# Altium PCB 3-as-manufactured.PcbDoc (part 4 of 16) (continued)
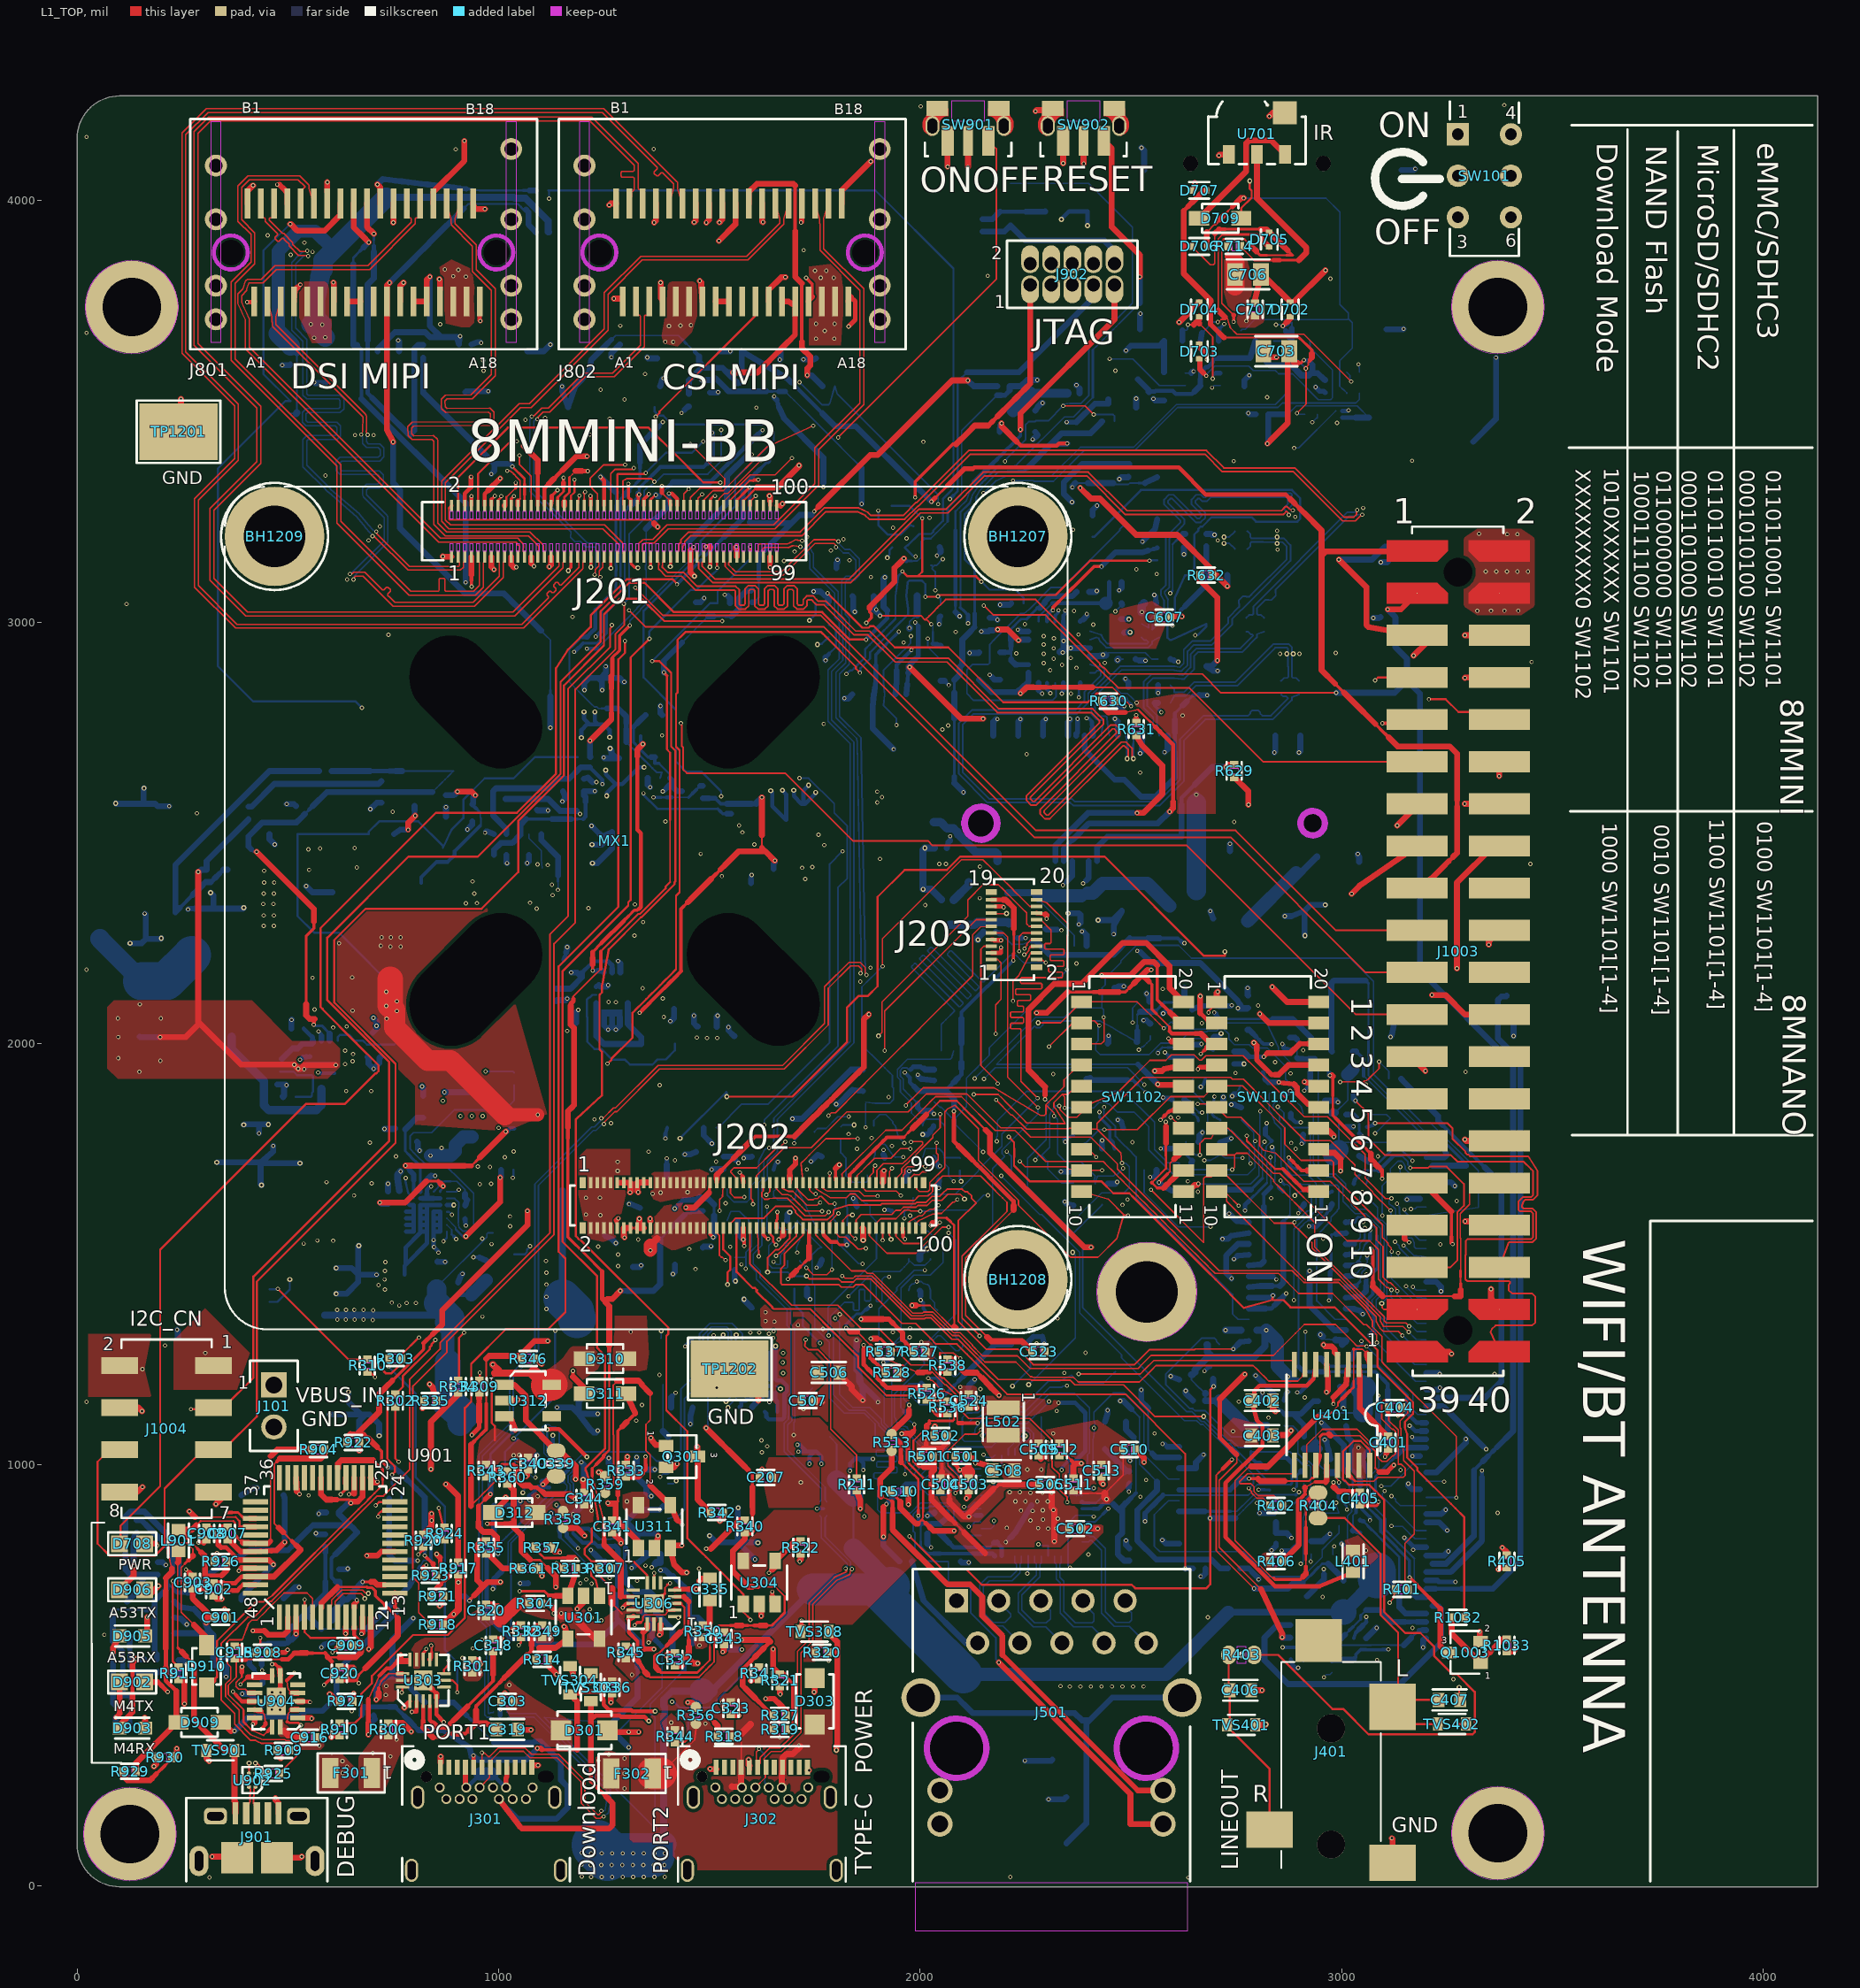
[diagram p0: L1_TOP view]
## Nets (pads, with @x,y where several pads share a name; then routed paths per layer and width w, separated by ;. In a path a pad name is that pad's centre, name@x,y a point inside that pad or via, vN(x,y) a via of type N, cw(c..) or ccw(c..) an arc to the next point about the centre after c; other vN are vias at no path point) (continued)
  L3_INT w4.85: 1127.24,3381.85 1141.85,3381.85 ; 1171.07,3381.85 1229.51,3381.85 ; 1566.76,3364.98 1576.41,3355.32
  L3_INT w5.87: 1141.85,3381.85 1171.07,3381.85
  L3_INT w8.94: 1030.55,3344.68 1045.43,3344.68 ; 1674.38,3316.71 1684.93,3306.16 1695.49,3295.61 ; 1737.14,3252.82 1747.13,3242.84 1748.26,3242.84
  L3_INT w9.96: v1(1003.26,3341.08) 1015.1,3341.08 ; 1557.11,3374.63 1566.76,3364.98 ; 1748.26,3242.84 1758.81,3232.28
  L3_INT w10.99: 1045.43,3344.68 1060.31,3344.68
  L3_INT w12.01: 1695.49,3295.61 1706.04,3285.05 1706.04,3283.92 1737.14,3252.82 ; 1758.82,3232.28 1769.37,3221.72
  L3_INT w14.05: 1015.1,3341.08 1026.94,3341.08 1030.55,3344.68 ; 1060.31,3344.68 1090.07,3344.68 1127.24,3381.85 ; 1615.02,3316.71 1674.38,3316.71 ; 2225.59,2627.91 2478.77,2374.72 3031.88,2374.72 3214.42,2192.19 v1(3214.42,2115.14)
EN_SNK1: R342.1 U303.2 | length 1026.6
  L1_TOP w9.96: v1(793.47,413.73) 793.66,413.91 805.02,413.91 U303.2@805.01,439.33
  L1_TOP w14.05: v1(1524.63,867.17) 1531.12,873.66 1531.12,882.46 R342.1@1532.24,886.97
  L6_INT w10.99: 1392.44,727.77 1404.46,734.51 1413.77,739.73
  L6_INT w12.01: v1(793.47,413.73) 807.9,413.73
  L6_INT w14.05: 807.9,413.73 851.2,413.73 923.35,413.73 1004.8,495.18 1093.18,495.18 1125,527 1161.67,527 1259.03,624.36 1259.03,661.03 1298.81,700.81 1344.34,700.81 ; 1344.35,700.82 1356.37,707.56 1368.4,714.29 1380.42,721.03 1392.44,727.77 ; 1413.77,739.73 1423.07,744.94 1462.76,784.63 1498.88,784.63 1524.62,810.37 v1(1524.63,867.17)
EN_SNK2: R335.1 R360.1 U306.2 | length 1090
  L1_TOP w3.5: 1342.09,639.85 1346.04,643.8 1391.23,643.8 1395.71,644.42 U306.2@1401.85,655.41
  L1_TOP w3.83: 1336.47,626.11 1342.09,631.73 1342.09,639.85
  L1_TOP w4.85: 1097.13,774.09 1106.68,764.55 1116.22,755
  L1_TOP w5.87: 1074.81,774.09 1097.13,774.09
  L1_TOP w7.92: v1(1322.26,619.97) 1322.82,619.97 1328.85,626 1336.36,626 1336.47,626.11
  L1_TOP w9.96: v1(972.44,860.06) 1013.58,860.06 ; U306.2@1401.85,655.41 U306.2@1417.4,655.4
  L1_TOP w10.99: 1013.58,860.06 1027.29,860.06
  L1_TOP w14.05: v1(819.07,1134.56) 820.62,1136.11 820.62,1150.64 R335.1@822.58,1152.6 ; R360.1@1019.83,955.22 1020.83,955.22 1035.19,940.85 1035.19,896.51 1035.86,895.84 1035.86,851.49 1046.34,841.01 ; 1027.29,860.06 1046.34,841.01 ; 1074.8,774.09 1054.19,794.7 1054.19,833.16 1046.34,841.01 ; 1116.22,755 1125.77,745.46 1135.31,735.91 v1(1135.31,710)
  L3_INT w6.9: 884.4,968.19 887.98,964.6 887.98,944.51 ; 1161.51,683.8 1259.23,683.8 1269.78,673.25 ; 1280.33,662.7 1280.33,656.76 1288.9,648.18 1290.37,648.18 1290.88,647.67
  L3_INT w7.92: v1(1135.31,710) 1144.05,701.27 ; 1152.78,692.54 1161.51,683.8 ; 1269.78,673.25 1280.33,662.7 ; 1290.88,647.67 1294.55,647.67 v1(1322.26,619.97)
  L3_INT w10.99: 1144.05,701.27 1152.78,692.54
  L3_INT w12.01: 887.98,944.51 898.54,933.95 909.1,923.4 919.65,912.84 v1(972.44,860.06)
  L3_INT w14.05: v1(819.07,1134.56) 884.4,1069.24 884.4,968.19
EN_SRC1: R332.2 U302.G1 | length 1254.7
  L1_TOP w12.01: v1@1028.89,606.13 1036.82,614.05 R332.2@1044.75,621.98
  L1_TOP w14.05: v1(1028.89,605.92) v1@1028.89,606.13 ; R332.2@1044.75,621.98 R332.2@1053,619.51
  L8_BOT w4: v1(1028.89,605.92) 1028.89,813.83 1127.46,912.4 1137.49,918.05 1161.38,918.05 1177.37,934.03 1177.37,955.27 1171.2,961.44 1171.2,971.38 1181.2,981.38 1181.2,1008.43 1203.36,1030.59 1203.9,1030.59 1204.05,1030.74 1213.99,1030.74 1214.14,1030.59 1353.27,1030.59 1375.18,1008.68 1406.15,1008.68 1431.75,1034.29 1431.75,1178.98 1457.36,1204.59 1462.27,1216.68 1467.19,1228.78 1472.1,1240.88 1474.07,1251.08 1476.04,1261.28 1476.04,1310.75 1501.04,1335.76 1553.24,1335.76 1577.64,1311.36 U302.G1@1577.64,1266.24
EN_SRC2: R334.2 U305.G1 | length 382.2
  L1_TOP w5: R334.2@903.71,1200.56 905.39,1205.12 905.39,1301.29 v1(917.77,1313.67)
  L3_INT w5: v1(868.62,1530.6) 868.62,1509.01 890.95,1486.68 890.95,1340.5 v1(917.77,1313.67)
  L8_BOT w5: v1(868.62,1530.6) 876.73,1538.72 U305.G1@876.72,1553.6
ENET_AVDD33: C501.1 C503.1 L501.2 U501.16 | length 875
  L1_TOP w3.5: C501.1@2083.19,1019.34 C501.1@2083.32,1019.79 ; v1@2093.03,985.1 2093.03,987.38 v1(2093.97,988.32) ; C503.1@2114.69,968.13 2114.69,982.21
  L1_TOP w10: 2083.19,1004.23 2091.92,987.26 2093.03,985.1 2095.07,986.13 2114.65,996.05
  L1_TOP w16.55: 2083.19,1004.24 C501.1@2083.19,1019.34 ; 2114.65,982.25 2114.65,996.05
  L1_TOP w31.31: 2114.65,982.25 2114.69,982.21
  L3_INT w17.83: v1(1935,1315) 1935.49,1315 1996.85,1253.63 1996.85,1136.27 2000.5,1132.62 ; 2016.96,1112.28 2018.49,1113.81 2104.67,1113.81 2105.06,1114.2 ; 2093.49,967.46 2093.49,967.82 2098.35,979.4 2098.8,988.07 2098.97,991.56 2105.21,1114.04
  L3_INT w29.68: 2000.5,1132.62 2006.8,1126.33 2006.8,1122.44 2016.96,1112.28
  L3_INT w43.26: 2105.06,1114.2 2105.21,1114.04
  L5_PWR w20: v1(2093.97,988.32) 2103.4,988.32 v1(2280.25,811.47)
  L8_BOT w3.5: v1(2280.25,811.47) 2283.26,808.46 2303.43,808.46 U501.16@2303.42,784.12
ENET_AVDDL_1V1: C510.1 C511.1 C512.1 C513.1 L503.1 U501.8 U501.13 U501.19 U501.44 | length 518.8
  L1_TOP w3.5: C511.1@2363.5,938.62 2381.35,932.51 2382.49,932.32 2399.39,932.32 2399.71,932.64 2418.79,932.64 2419.11,932.32 2438.18,932.32 2452.6,946.74 2481.44,975.58 C510.1@2481.45,1036.39
  L1_TOP w16.55: 2438.18,932.32 2438.18,922.46 v1(2442.18,918.46)
  L8_BOT w3.5: 2256.18,747.27 U501.19@2256.18,784.11 ; 2287.11,1114.15 2287.11,1042.32 U501.44@2287.67,1023.3 ; v1(2355.7,756.07) 2350.65,761.13 2350.65,861.9 2368.84,880.1 U501.8@2383.64,880.09 2383.79,879.95 2407.19,879.95 2409.88,877.27 v1(2411.63,877.27)
  other v1: 2254,742 2315.57,1074.26
ENET_DVDDL_1V1: C508.1 C509.1 L502.2 L503.2 R509.1 U501.47
  other v1: 2287.43,989 2324,1128 2392.07,1266.11
  other v3: 2254,989
ENET_LX: L502.1 U501.3 | length 272.3
  L8_BOT w10: v1(2328.03,1147.64) 2367.36,1147.64 2391.74,1123.26 2391.74,1032.41 2356.64,997.31 2356.64,969.61 2363.67,962.58 U501.3@2383.64,958.83
ENET_MDC: J203.18 R511.1 U508.5 | length 2185.8
  L1_TOP w3.5: v1(1911,2183) 1910.32,2183.68 1910.32,2248.81 2097.91,2436.39 2149.01,2436.39 2171.21,2414.19 2182.31,2403.09 2193.41,2391.99 2215.61,2369.79 2226.71,2358.69 2237.81,2347.59 2248.91,2336.49 2260.01,2325.39 J203.18@2276.44,2325.39
  L6_INT w4.2: v1(1870.41,1800.97) v1(1870.41,1800.97) 1877.79,1793.66 1882.62,1793.66 1901.8,1774.48 1901.8,1742.89 1912.03,1732.67 1912.03,1711.72 1900.9,1700.59 1900.9,1675.1 1947.72,1628.28 1947.72,1529.08 1957.18,1519.62 1966.63,1510.17 1966.63,1488.58 1999.12,1456.09 2010.19,1449.8 2019.27,1450.86 2024.88,1450.86 2026.16,1449.57 2031.81,1449.57 2096.7,1384.68 2194.03,1287.35 2237.29,1244.09 2273.41,1244.09 2282.7,1234.79 2292,1225.5 2310.6,1206.9 2319.9,1197.6 2338.65,1197.6 2348,1188.25 v1(2348,1188)
  L8_BOT w3.5: v1(1870.41,1800.97) U508.5@1870.41,1857.31 ; U508.5@1870.76,1860.58 1892.64,1858.28 1928.08,1858.28 1936.58,1866.78 1936.58,1894.21 1933.92,1896.87 1933.92,1924.3 1926.88,1931.34 1916.01,1942.21 1905.15,1953.08 1861.68,1996.55 1861.68,2134.21 1881.13,2153.67 1890.86,2163.4 1910.47,2183 v1(1911,2183) ; R511.1@2114.7,1100.97 2115.69,1100.97 2121.62,1106.9 2121.62,1107.88 2131.28,1110.99 2140.94,1114.09 2144.22,1117.37 2157.25,1121.55 2170.28,1125.74 2248.67,1125.74 2307.21,1184.28 2336,1184.28 2338.47,1186.76 2346.76,1186.76 v1(2348,1188)
ENET_MDIO: J203.20 R508.2 R512.1 U508.4 | length 2031.8
  L1_TOP w3.5: v1(2083.44,933.44) 2091.3,941.3 2091.3,972.22 2065.67,997.84 2065.67,1033 2105.68,1073.01 2134.89,1073.01 2144.23,1082.35 v1(2144.23,1083.68) ; J203.20@2276.44,2341.14 2288.29,2337.85 2300.14,2334.57 2350.1,2284.61 2350.1,2257.52 2348,2255.42 v1(2348,2175)
  L3_INT w4.2: v1(2305.83,1150.31) 2305.83,1182.03 v1(2342,1218.2)
  L6_INT w4.2: v1(2149.1,1742.62) 2163.34,1742.62 2207.44,1698.53 2349.66,1556.3 2349.66,1497.16 2355.68,1491.14 2355.68,1231.51 2342.37,1218.2 v1(2342,1218.2)
  L8_BOT w3.5: R508.2@2029.9,953.38 2040.04,954.05 2047.14,947.85 2072.49,947.85 2078.58,941.76 2078.58,940.07 2083.44,935.2 v1(2083.44,933.44) ; U508.4@2033.44,1861.28 2046.74,1848.68 2049.75,1848.68 2074.12,1824.31 2084.21,1824.31 ; v1(2144.23,1083.68) 2144.68,1083.68 2145.03,1083.33 2148.38,1091.01 2151.86,1099 2154.87,1102.01 2176.03,1102.01 2180.14,1098.71 2187.5,1097.94 2188.52,1096.92 2188.52,1092 R512.1@2195.78,1086.19 2214.09,1097.41 2217.1,1097.41 2217.73,1098.03 2253.55,1098.03 v1(2305.83,1150.31) ; v1(2149.1,1742.62) 2084.21,1807.51 2084.21,1824.31 ; 2164,1971.97 2142.45,1950.42 2131.67,1939.64 2120.89,1928.86 2110.11,1918.08 2110.11,1850.21 2084.21,1824.31 ; 2164.01,1971.98 2164.01,1989.79 2169.83,1995.61 2348,2173.78 v1(2348,2175)
ENET_NINT: J202.50 U501.5 | length 1214.6
  L1_TOP w4: J202.50@1595.77,1561.93 1595.77,1478.09 1694.89,1378.97 1804.09,1378.97 1860.65,1322.41 1902.84,1322.41 1946.17,1279.08 1946.17,1268.95 1977.96,1237.16 2021.27,1237.16 2052.4,1206.03 2056.75,1206.03 2096.85,1165.93 2096.85,1128.44 2115.24,1110.05 2260.44,1110.05 2312.32,1058.18 2312.32,1038.85 2312.32,1033.96 2312.32,1009.33 ; 2312.32,1009.31 2312.89,1008.75 2312.89,995.05 2330.37,977.57 2330.37,941.43 2349,922.81 v1(2349,911.88)
  L8_BOT w4: v1(2349,911.88) 2349,922.41 2356.68,930.09 2359.79,929.89 2370.89,927.33 2370.89,929.43 U501.5@2383.64,927.33
ENET_NRST: R506.2 U202.19 U501.2 | length 1783.4
  L3_INT w4.2: v1(1568.53,1716.57) 1557.93,1705.97 1557.93,1633.09 1615.44,1575.58 1615.44,1532.56 1640.9,1507.1 1665.26,1507.1 1717.9,1454.46 1717.9,1442.99 1785.51,1375.38 1840.84,1375.38 1927.21,1353.05 1965.36,1353.05 2076.51,1241.9 2109.1,1241.9 2172.2,1178.8 2172.2,1163.83 2209.87,1126.15 2224.11,1126.15 2262.89,1087.37 v1(2412.24,1087.37)
  L8_BOT w3.5: U501.2@2383.64,974.58 2406.45,974.59 2410.17,978.3 2410.17,1059.46 2410.22,1060.05 2410.99,1064.58 2412.85,1075.36 2413.49,1083.23 2413.49,1086.13 v1(2412.24,1087.37) 2412.78,1087.91 2412.78,1089.73 2414.21,1098.87 2414.21,1100.74 2413.72,1102.72 2412.52,1105.62 2412.52,1125.12 2458.6,1171.19 ; 2458.61,1171.19 2483.35,1171.19 2530.73,1123.81 2530.73,1024.59 2568.67,986.65 2580.53,974.79 2588.96,966.36 U202.19@2614.23,966.37
  L8_BOT w10.99: 1560.91,1724.19 v1(1568.53,1716.57)
  L8_BOT w14.05: R506.2@1534.07,1731.81 1553.29,1731.81 1560.91,1724.19
ENET_NRST_LV: J202.79 R212.1 | length 1948.9
  L1_TOP w4.85: 1960.54,1777.44 1971.32,1788.23 ; 2014.46,1831.37 2046.82,1863.73 2086.63,1863.73 2116.2,1834.16 2126.06,1824.3 2155.63,1794.73
  L1_TOP w6.9: 1971.32,1788.23 1982.11,1799.01
  L1_TOP w7.92: 1832.49,1688.85 1843.57,1699.92 ; 1865.72,1722.07 1887.86,1744.22 ; 1898.94,1755.29 1910.01,1766.37
  L1_TOP w8.94: J202.79@1832.49,1679.68 1832.49,1688.85 ; 1843.57,1699.92 1854.64,1711 1865.72,1722.07 ; 1887.86,1744.22 1898.94,1755.29 ; 1910.01,1766.37 1921.09,1777.44 1960.54,1777.44
  L1_TOP w9.96: J202.79@1831.99,1669.65 1832.49,1670.5 J202.79@1832.49,1679.68
  L1_TOP w13.03: 2198.53,1707.44 2209.55,1696.42 ; 2242.6,1663.37 2253.62,1652.35
  L1_TOP w14.05: 1982.11,1799.01 2003.68,1820.58 2014.46,1831.37 ; 2155.63,1794.73 2165.48,1784.88 2165.48,1740.49 2198.53,1707.44 ; 2209.55,1696.42 2242.6,1663.37 ; 2253.62,1652.35 2319.72,1586.25 2330.74,1575.23 2389.63,1516.35 v1(2405.35,1516.33)
  L6_INT w7.92: v1(2474.5,1151.85) 2489.59,1151.85
  L6_INT w13.03: v1(2405.35,1516.33) 2401.11,1512.1 2401.11,1330.88 2409.08,1322.91
  L6_INT w14.05: 2409.08,1322.91 2409.08,1317.55 2541.6,1185.03 2541.6,1170.9 2522.56,1151.85 2489.59,1151.85
  L8_BOT w3.5: 2520.39,1113.31 2520.39,1001.63 2530.76,991.26 2561.88,960.14
  L8_BOT w4.85: 2501.12,1132.58 2520.39,1113.31
  L8_BOT w13.03: 2560.17,775.11 2573.08,775.11 ; 2632.1,775.11 2691.12,775.11
  L8_BOT w14.05: v1(2474.5,1151.85) 2481.85,1151.85 2491.48,1142.22 2501.12,1132.58 ; 2560.17,775.11 2515.21,820.08 2515.21,892.73 2561.88,939.4 2561.88,960.14 ; 2573.08,775.11 2632.1,775.11 ; 2691.12,775.11 2712.06,754.17 R212.1@2730.28,754.16
ENET_RD0: J203.8 R539.1 | length 1454.9
  L1_TOP w3.5: v1(2247.19,2225.19) 2247.19,2226.95 2253.05,2232.81 2253.05,2236.3 2255.05,2238.31 2263.4,2246.65 J203.8@2276.44,2246.65
  L6_INT w4.2: v2(1843.2,1806.69) 1893.3,1856.79 1942.49,1856.79 2023.15,1937.46 2024.64,1938.94 2024.64,1942.42 2014.84,1952.22 2014.84,1955.24 2021.87,1962.26 2024.88,1962.26 2050.34,1936.81 2053.35,1936.81 2060.38,1943.83 2060.38,1946.85 2034.92,1972.31 2034.92,1975.32 2041.95,1982.35 2044.96,1982.35 2090.5,1936.81 2093.51,1936.81 2100.54,1943.84 2100.54,1946.85 2055,1992.39 2055,1995.4 2062.03,2002.43 2065.04,2002.43 2130.66,1936.81 2133.68,1936.81 2140.71,1943.83 2140.71,1946.85 2086.76,2000.79 2086.76,2003.8 2093.79,2010.83 2096.8,2010.83 2162.08,1945.56 2165.09,1945.56 2172.12,1952.58 2172.12,1955.6 2106.86,2020.85 2106.86,2023.87 2113.89,2030.9 2116.9,2030.9 2127.75,2020.05 2130.76,2020.05 2137.79,2027.07 2137.79,2030.09 2137.79,2033.57 2140.25,2036.03 2154.97,2036.03 2283.76,2036.03 2310.65,2062.92 2310.65,2195.79 2281.25,2225.19 v1(2247.19,2225.19)
  L8_BOT w3.5: R539.1@1811.34,1802.49 1815.54,1806.69 v2(1843.2,1806.69)
ENET_RD0_BUFIN: R517.1 U501.31 U502.1 U502.3 | length 1323.6
  L3_INT w4.2: v1(1783,1307) 1883.27,1206.73 1885.35,1204.65 1887.83,1202.21 1957.97,1202.82 1960.12,1200.71 1960.21,1190.77 1958.1,1188.62 1886.77,1188 1884.66,1185.85 1884.75,1175.91 1886.9,1173.8 1959.75,1174.43 1961.9,1172.32 1961.98,1162.38 1959.87,1160.23 1934.9,1160.02 1932.46,1157.54 1941.27,1148.73 1943.35,1146.65 1958.84,1131.16 1971.51,1131.16 1983.83,1118.85 1983.83,1117.21 1996.14,1104.9 1997.2,1098.94 1997.7,1096.11 1999.2,1087.64 ; 1999.25,1087.64 1999.62,1087.28 1999.62,1085.32 2009.99,1079.12 2011.01,1079.12 2079.47,1010.66 2079.47,961.5 2094.54,946.43 2094.54,908.9 2103.44,900 v1(2104,900)
  L8_BOT w3.5: v1(1783,1307) 1781.76,1308.24 1781.76,1310.38 1780.99,1311.14 1780.99,1373.57 1896.32,1488.9 1896.32,1577.62 1881.1,1592.84 1881.1,1613.53 1874.84,1619.79 1870.08,1619.79 1845.91,1643.96 1834.24,1643.96 1823.67,1633.38 U502.3@1823.67,1613.05 ; v1(2104,900) 2104.09,899.91 2117.79,899.91 2127.99,910.11 2127.71,910.39 2136.08,910.99 U501.31@2144.46,911.58
  L8_BOT w4.2: U502.3@1823.65,1613.02 1827.08,1609.6 R517.1@1827.08,1568.89
ENET_RD0_R: R539.2 U502.4 U502.6 | length 165.8
  L8_BOT w3.5: U502.4@1823.66,1687.83 1823.66,1685.83 1838.95,1670.54 1872.79,1670.54 1874.84,1672.59 U502.6@1874.84,1687.83
  L8_BOT w4.2: R539.2@1811.34,1772.97 1811.34,1740.79 1823.66,1728.47 U502.4@1823.66,1687.83
ENET_RD1: J203.10 R540.1 | length 1298.3
  L1_TOP w3.5: v1(2234.57,2218.89) 2234.57,2253.47 2243.5,2262.4 J203.10@2276.44,2262.4
  L6_INT w4.2: v1(1636.48,1613) 1607.07,1642.41 1607.07,1758.1 1631.44,1782.48 1674.81,1782.48 1723.44,1831.1 1723.44,1880.66 2052.64,2209.86 2225.54,2209.86 v1(2234.57,2218.89)
  L8_BOT w3.5: v1(1636.48,1613) 1636.48,1555.24 1646.53,1545.19 1653.48,1538.08 1650.31,1532.7 1649.83,1531.88 1649.83,1530.93 1649.83,1529.66 1640.34,1520.17 1640.34,1476.02 1649.02,1467.33 1683.15,1467.33 1685.2,1469.38 R540.1@1685.2,1484.63
ENET_RD1_BUFIN: R518.1 U501.30 U504.1 U504.3 | length 1409.9
  L8_BOT w3.5: U504.3@1657.77,1579.82 1658.74,1578.84 1658.74,1576.84 1663.9,1571.68 1663.9,1565.07 1670.62,1558.35 1693.29,1558.35 1702.72,1567.78 1702.72,1571.67 1708.86,1577.81 U504.1@1708.97,1579.82 ; U504.1@1708.98,1577.8 1736.64,1550.15 1736.64,1544.66 1763.34,1517.96 1764.34,1517.96 R518.1@1766.31,1515.99 1757.9,1513.48 1743.25,1498.84 1743.25,1463.55 1744.34,1462.46 1744.34,1430.91 1749.55,1425.7 1749.55,1325.25 1784.24,1290.56 1784.24,1159.05 1820.34,1122.95 1867,1122.95 1891.93,1098.03 1893,1096.96 1893,1050.4 1895.05,1048.35 1922.72,1048.35 1924.75,1046.32 1924.75,1036.87 1922.72,1034.85 1897.88,1034.85 1895.85,1032.82 1895.85,1023.37 1897.88,1021.35 1942.94,1021.35 1944.96,1019.32 1944.96,1009.87 1942.94,1007.85 1899.08,1007.85 1897.05,1005.82 1897.05,996.37 1899.08,994.35 1942.94,994.35 1944.96,992.32 1944.96,982.87 1942.94,980.85 1892.06,980.85 1890.04,978.82 1890.04,969.37 1892.06,967.35 1896.7,967.35 1898.75,965.3 1898.75,963.55 1898.75,893.41 1906.08,886.08 1977.25,886.08 2000.47,909.3 2077.55,909.3 2097.61,889.24 2122.85,889.24 2129.18,895.56 2129.18,895.85 U501.30@2144.45,895.85
ENET_RD1_R: R540.2 U504.4 U504.6 | length 410.9
  L1_TOP w3.5: v1(1729.86,1467.86) 1745.84,1451.88 1746.03,1451.69 1778.83,1451.69 v1(1790.43,1463.29)
  L8_BOT w3.5: U504.4@1657.78,1654.64 1652.38,1649.24 1652.38,1638.3 1661.99,1628.69 1699.48,1628.69 1703.95,1633.16 1703.95,1644.17 U504.6@1708.97,1654.64 1751.42,1566.14 1790.43,1527.12 v1(1790.43,1463.29) ; R540.2@1714.71,1484.64 1714.71,1483.01 v1(1729.86,1467.86)
ENET_RD2: J203.12 R541.1 | length 1374.6
  L1_TOP w3.5: v2(1901,2018) 1909.29,2026.29 1909.29,2098.72 2112.68,2302.1 2112.68,2340.48 2148.96,2376.77 2185.63,2376.77 2196.78,2365.62 2207.93,2354.47 2230.23,2332.17 2241.38,2321.02 2252.52,2309.87 2252.52,2284.11 2258.51,2278.13 J203.12@2276.44,2278.13
  L6_INT w4.2: v1(1652,1482) 1652.1,1482.1 1662.46,1482.1 1713.79,1533.43 1713.79,1668.6 1766.47,1721.28 1766.47,1887.47 1799,1920 1803,1920 v2(1901,2018)
  L8_BOT w3.5: v1(1652,1482) 1658.82,1475.18 1666.4,1475.18 1668.45,1477.23 1668.45,1497.84 1676.75,1506.14 1676.75,1507.79 1677.37,1508.42 1677.63,1509.26 R541.1@1685.2,1534.43
ENET_RD2_BUFIN: R522.1 U501.28 U503.1 U503.3 | length 1311
  L3_INT w4.2: v1(1964,978) 1964.96,978.96 1989.4,978.96 v1(2115.05,853.31)
  L6_INT w3.5: v1(1926,1446) 1971.55,1446 1982.52,1435.02 v1@1991.98,1435.02
  L8_BOT w3.5: v1(1926,1446) 1914.92,1446 1909.07,1440.15 1909.07,1389.1 1907.04,1387.07 1897.59,1387.07 1895.57,1389.1 1895.57,1441.02 1893.54,1443.05 1884.09,1443.05 1882.07,1441.02 1882.07,1390.78 1880.04,1388.75 1870.59,1388.75 1868.57,1390.78 1868.57,1414.02 1866.54,1416.05 1857.09,1416.05 1855.07,1414.02 1855.07,1368.74 1853.04,1366.72 1843.59,1366.72 1841.57,1368.74 1841.57,1383.5 1839.52,1385.55 1824.27,1385.55 1819.85,1385.55 1787.49,1353.19 1787.49,1317.71 1793.75,1311.45 1793.75,1166.25 1830.55,1129.45 1869.69,1129.45 1901.65,1097.49 1901.65,1093.62 1965.43,1029.85 1965.43,1005.52 1964,1004.09 v1(1964,978) ; U503.3@1972.95,1413.8 1975.75,1424.31 1980.79,1429.35 1984.63,1429.35 1990.28,1435 v1(1992,1435) 2003.05,1435 2007.01,1431.04 2007.57,1430.48 2008.32,1430.21 2014.45,1428.05 2017.17,1428.05 2021.51,1423.71 U503.1@2024.15,1413.8 ; U503.1@2024.15,1413.8 2024.15,1395.08 2034.51,1384.72 2034.51,1373.25 R522.1@2041.76,1366 ; v1(2115.05,853.31) 2116.26,854.52 2119.64,854.52 2129.45,864.33 U501.28@2144.46,864.34
ENET_RD2_R: R541.2 U503.4 U503.6 | length 458.1
  L3_INT w4.2: v1(1708,1503.63) 1708.53,1504.16 1742.07,1504.16 1773.56,1472.67 1773.56,1456.12 v1(1829.75,1399.92)
  L8_BOT w3.5: v1(1708,1503.63) 1706.41,1513.82 1706.41,1516.02 1710.07,1524.16 R541.2@1714.7,1534.44 ; v1(1829.75,1399.92) 1888.73,1458.9 1951.41,1458.9 1962.18,1469.67 1972.95,1480.45 U503.4@1972.95,1486.62 ; U503.6@2024.15,1488.62 2024.15,1486.62 2011.4,1473.87 1985.7,1473.87 U503.4@1972.95,1486.62 ; U503.4@1972.95,1486.62 U503.4@1972.95,1488.62 U503.4@1972.95,1486.62
ENET_RD3: J203.14 R543.1 | length 1406.3
  L1_TOP w3.5: J203.14@2276.44,2293.89 2285.95,2293.88 2310.3,2269.53 2310.3,2253.4 2310.3,2239.35 2308.25,2237.3 2297.25,2237.3 2295.22,2235.28 2295.22,2225.83 2297.25,2223.8 2339.48,2223.8 2341.5,2221.78 2341.5,2212.33 2339.48,2210.3 2310.43,2210.3 2308.4,2208.28 2308.4,2198.83 2310.43,2196.8 2339.07,2196.8 2341.1,2194.78 2341.1,2185.33 2339.07,2183.3 2306.53,2183.3 2304.5,2181.28 2304.5,2171.83 2306.53,2169.8 2335.97,2169.8 2338,2167.78 2338,2158.33 2335.97,2156.3 2239.67,2156.3 2237.65,2154.28 2237.65,2144.83 2239.67,2142.8 2286.82,2142.8 2288.85,2140.78 2288.85,2131.33 2286.82,2129.3 2228.53,2129.3 2226.5,2127.28 2226.5,2117.83 2228.53,2115.8 2259.82,2115.8 2261.85,2113.78 2261.85,2104.33 2259.82,2102.3 2232.78,2102.3 2230.75,2100.28 2230.75,2090.83 2232.78,2088.8 2243.18,2088.8 2245.2,2086.78 2245.2,2077.33 2243.18,2075.3 2216.27,2075.3 2214.25,2073.28 2214.25,2063.83 2216.27,2061.8 2243.18,2061.8 2245.2,2059.78 2245.2,2050.33 2243.18,2048.3 2216.27,2048.3 2214.25,2046.28 2214.25,2036.83 2216.27,2034.8 2236.79,2034.8 2238.84,2032.75 2238.84,2031 2238.84,1910.07 v1(2278.66,1870.25)
  L8_BOT w3.5: R543.1@2017.92,1639.65 2020.56,1642.29 2082.91,1642.29 2138.25,1697.63 2138.25,1700.53 2193.59,1755.86 2193.59,1785.17 v1(2278.66,1870.25)
ENET_RD3_BUFIN: R524.1 U501.27 U505.1 U505.3 | length 1341.6
  L3_INT w4.2: v1(1975,1303) 2000.66,1277.34 2000.66,1275.04 2025.2,1250.5 2057.58,1250.5 2130.6,1177.48 ; v1(2142.78,1179.94) 2140.32,1177.48 2130.6,1177.48 ; v1(2175,867) 2185.67,877.67 2185.67,1110.42 2175,1121.1 2156.89,1139.21 2156.25,1139.85 2155.4,1140.17 2121.08,1153.12 2121.08,1167.96 2130.6,1177.48
  L6_INT w4.2: v1(1959.69,1730.53) 1959.83,1730.38 1959.83,1666.74 1968.03,1658.54 1968.03,1599.51 v1(1976.02,1591.52)
  L8_BOT w3.5: U505.3@1890.01,1729.23 1893.07,1736.88 1893.07,1747.66 1906.25,1760.85 1915.75,1760.85 1918.64,1757.97 1925.46,1748.39 1932.29,1738.81 1935.07,1734.9 1935.52,1734.9 U505.1@1941.21,1729.23 ; R524.1@1932.2,1283.57 1952.18,1292.55 1952.87,1292.86 1964.86,1292.86 v1(1975,1303) ; R524.1@1932.2,1283.57 1954.56,1305.93 1954.57,1420.14 1984.61,1450.18 2024.07,1450.18 2054.11,1480.22 2054.11,1519.35 2018.63,1554.83 2012.71,1554.83 v1(1976.02,1591.52) ; U505.1@1941.21,1729.23 1942.51,1730.53 v1(1959.69,1730.53) ; U501.27@2144.46,848.59 2167.93,848.58 2175,855.65 v1(2175,867)
ENET_RD3_R: R543.2 U505.4 U505.6 | length 500.2
  L6_INT w4.2: v1(1962.23,1763.73) 1962.23,1744.27 1971.23,1735.27 1980.23,1726.27 1985.78,1720.73 1985.78,1596.97 2009.02,1573.72 2009.02,1538.35 1981.08,1566.27 1971.77,1575.59 v1(1962.46,1584.9)
  L8_BOT w3.5: U505.4@1890.01,1804.05 1890,1817.39 1904.17,1831.56 1918.3,1831.56 1934.96,1814.9 1934.96,1810.3 U505.6@1941.21,1804.05 1948.23,1777.74 v1(1962.23,1763.73) ; v1(1962.46,1584.9) 1962.46,1599.68 1969.94,1607.16 1977.42,1614.64 1983.03,1620.25 1983.03,1633.28 R543.2@1983.79,1634.04
ENET_RX_CTL: J203.2 R544.1 | length 1501.2
  L1_TOP w3.5: J203.2@2276.44,2199.4 2278.68,2197.15 2291.45,2197.15 2296.6,2192 v1(2298,2192)
  L8_BOT w3.5: R544.1@2050.15,1982.68 2050.14,2045.71 2061.06,2056.63 2079.7,2075.27 2080.93,2076.5 2080.93,2079.4 1979.82,2180.52 1979.82,2183.38 1986.5,2190.07 1989.36,2190.07 2091.68,2087.75 2094.54,2087.75 2101.23,2094.43 2101.23,2097.29 1998.91,2199.61 1998.91,2202.48 2005.59,2209.16 2008.45,2209.16 2110.77,2106.84 2113.64,2106.84 2120.32,2113.52 2120.32,2116.39 2018,2218.7 2018,2221.57 2024.68,2228.25 2027.55,2228.25 2129.86,2125.93 2132.73,2125.93 2139.41,2132.61 2139.41,2135.48 2064.6,2210.29 2064.6,2213.15 2071.28,2219.84 2074.14,2219.84 2147.75,2146.23 2150.65,2146.23 2167.5,2163.07 2214.01,2209.58 2227.26,2209.58 2236.43,2200.4 2245.61,2191.23 2297.23,2191.23 v1(2298,2192)
ENET_RX_CTL_BUFIN: R521.1 U501.32 U507.1 U507.3 | length 1360.6
  L6_INT w4.2: v1(2079.4,1672.97) 2079.4,1637.1 2076.9,1634.6 2076.9,1589.56 2048.46,1561.12 2048.46,1447.36 2207.53,1288.29 v1(2276.31,1288.29) ; v2(2173.57,960.08) 2342.45,960.08 2358.92,976.55 2358.92,980.27 2219,1120.19 v2(2219,1187)
  L8_BOT w3.5: U507.3@2006.13,1729.23 2011.85,1750.66 2044.46,1750.66 ; 2044.47,1750.67 2054.2,1740.93 U507.1@2057.33,1729.23 ; U507.1@2057.33,1729.23 2057.32,1715.25 2067.32,1705.25 2067.32,1685.05 v1(2079.4,1672.97)
  L8_BOT w4.2: U507.1@2057.33,1729.23 2093.16,1729.21 R521.1@2094.15,1728.22 ; U501.32@2144.46,927.33 2167.49,927.33 2175,934.84 2175,958.66 v2(2173.57,960.08) ; v2(2219,1187) 2261.91,1229.91 2261.91,1273.89 v1(2276.31,1288.29)
ENET_RX_CTL_R: R544.2 U507.4 U507.6 | length 386.2
  L8_BOT w3.5: U507.6@2057.33,1804.05 2055.4,1808.07 2049.24,1814.23 2043.07,1820.39 2014.2,1820.39 2009.13,1815.32 U507.4@2006.13,1804.05 2004.59,1809.8 1979.25,1835.14 1979.25,1858.26 1970.98,1866.53 1962.71,1874.8 1952.85,1884.66 1952.85,1913.09 1945.91,1920.04 1945.91,1938.61 1969.74,1962.44 2071.22,1962.44 2074.62,1965.85 2076.63,1972.56 R544.2@2079.67,1982.68
ENET_RXC: J203.4 R542.1 | length 1430
  L1_TOP w3.5: v1(2220,2101) 2220,2147.43 2231.58,2159.01 2232.18,2159.81 2255.54,2202.68 2256.14,2203.48 2258.48,2205.82 2258.48,2207.18 2258.48,2208.07 2258.9,2208.85 2262.33,2215.14 J203.4@2276.44,2215.14
  L6_INT w4.2: v1(1830.35,1826.65) 1830.35,1826.75 1905.6,1902 1925,1902 1941.36,1918.36 1969.35,1918.36 1976.16,1925.17 1976.16,1939.23 1992.32,1955.39 1993.81,1956.88 1993.81,1960.35 1922.92,2031.24 1922.92,2034.25 1929.95,2041.28 1932.96,2041.28 2005.23,1969.01 2008.25,1969.01 2015.27,1976.04 2015.27,1979.05 1943,2051.32 1943,2054.33 1950.03,2061.36 1953.05,2061.36 2025.32,1989.09 2028.33,1989.09 2035.36,1996.12 2035.36,1999.13 1963.09,2071.4 1963.09,2074.42 1970.12,2081.44 1973.13,2081.44 2045.4,2009.17 2048.41,2009.17 2055.44,2016.2 2055.44,2019.21 2035.59,2039.07 2035.59,2042.08 2042.62,2049.11 2045.63,2049.11 2064.09,2030.64 2067.57,2030.64 2082.97,2046.03 2093.46,2056.52 2105.94,2056.52 2150.89,2101.47 2219.53,2101.47 v1(2220,2101)
  L8_BOT w3.5: R542.1@1749.3,1789.93 1749.3,1790.92 1756.55,1798.18 1776.4,1798.18 1804.49,1826.27 1829.97,1826.27 v1(1830.35,1826.65)
ENET_RXC_BUFIN: R523.1 U501.33 U506.1 U506.3 | length 1370.8
  L3_INT w4.2: v1(1585.79,1465.52) 1587.04,1465.52 1704.55,1348 1721.03,1348 1723.13,1348 1725.59,1350.46 1725.59,1364.72 1727.72,1366.85 1737.66,1366.85 1739.79,1364.72 1739.79,1320.69 1741.92,1318.56 1751.86,1318.56 1753.99,1320.69 1753.99,1345.54 1756.45,1348 1783.56,1348 v1(1798.24,1348)
  L8_BOT w3.5: U506.3@1541.65,1579.82 1550.23,1601.29 1571.37,1601.29 1584.59,1588.07 1586.6,1588.07 1592.85,1581.81 U506.1@1592.85,1579.82 1599.84,1555.83 1599.84,1518.56 1586.41,1505.13 1586.41,1496.41 ; R523.1@1559.39,1492.61 1582.62,1492.61 1586.41,1496.41 ; v1(1585.79,1465.52) 1586.41,1466.14 1586.41,1496.41 ; v1(1798.24,1348) 1808.57,1337.67 1808.57,1167.21 1839.52,1136.26 1879.76,1136.26 1908.15,1107.87 1908.15,1096.31 1983.73,1020.73 1988.69,1015.78 1993.22,1015.78 1996.78,1012.21 1996.78,1009.32 1974.41,986.94 1974.41,984.08 1981.09,977.4 1983.96,977.4 2019.35,1012.79 2022.22,1012.79 2028.9,1006.11 2028.9,1003.25 2004,978.35 2004,975.48 2010.68,968.8 2013.54,968.8 2038.45,993.7 2041.31,993.7 2047.99,987.02 2047.99,984.16 2037.87,974.03 2037.87,971.13 2047.48,961.51 2053.41,955.59 2077.91,955.59 2090.42,943.07 U501.33@2144.46,943.08
ENET_RXC_R: R542.2 U506.4 U506.6 | length 317.8
  L6_INT w3.5: v1(1641.71,1752) 1689.35,1752 1700.68,1763.33 v1(1700.96,1763.33)
  L8_BOT w3.5: U506.4@1541.65,1654.64 1541.65,1640.26 1557.87,1624.04 1588.47,1624.04 1594.72,1630.29 1594.72,1658.51 1616.88,1680.67 1616.88,1721.66 1629.68,1746.12 1630.3,1746.97 1634.08,1750.76 1640.46,1750.76 v1(1641.71,1752) ; v1(1700.96,1763.33) 1702.2,1764.58 1702.2,1771.35 1719.77,1788.92 R542.2@1719.78,1789.93
ENET_SD: R509.2 U501.41 | length 727.8
  L8_BOT w3.5: U501.41@2240.43,1023.3 2240.43,1038.3 2252.73,1050.61 2256.41,1050.61 2268.89,1063.08 2268.89,1074.92 2256.57,1087.24 2226.6,1087.24 2207.35,1067.99 2176.37,1067.99 2163.68,1055.3 2105.09,1055.3 2099.92,1060.46 2099.92,1111.92 2111.36,1123.36 2123.08,1123.36 2123.65,1123.41 2128.61,1124.22 2129.55,1124.25 2138.45,1124.25 2152.12,1137.92 2243.79,1137.92 2277.06,1171.19 2303.87,1198 2330.41,1198 2338.62,1202.27 2346.84,1206.54 2358.81,1212.77 2378.03,1193.54 2434.73,1193.54 2460.06,1218.87 2461.05,1218.87 R509.2@2463.03,1220.85
ENET_TD0: J203.9 U501.36 | length 1911.1
  L1_TOP w3.5: J203.9@2168.74,2262.4 2198.13,2262.4 2207.75,2252.78 2207.75,2131.75 2207.75,2040.98 2207.75,1965.34 2207.75,1919.95 2247.42,1880.27 2257.34,1870.35 2277.18,1850.51 v1(2279.46,1848.23)
  L8_BOT w3.5: U501.36@2144.46,990.32 2112.69,990.32 2064.67,1038.33 2017.83,1038.33 1969.82,1086.34 1968.69,1089.67 1965.8,1090.65 1955.91,1092.45 1946.02,1094.25 1943.64,1102.36 1941.27,1110.46 1938.8,1112.94 1938.8,1167.8 2008.47,1237.47 2009.71,1238.71 2009.71,1245.36 1998.55,1256.52 1998.55,1263.17 2008.52,1273.14 2015.16,1273.14 2078.69,1209.62 2085.33,1209.62 2095.3,1219.59 2095.3,1226.24 2031.78,1289.76 2031.78,1296.41 2041.75,1306.38 2048.4,1306.38 2084.31,1270.46 2090.96,1270.46 2100.93,1280.43 2100.93,1287.08 2082.83,1305.18 2082.83,1311.83 2092.5,1321.5 2099.43,1328.43 2099.43,1495.21 2171.75,1567.54 2171.75,1703.41 2200.09,1731.75 2200.09,1732.95 2194.51,1738.54 2194.51,1747.59 2214.29,1767.37 ; 2214.31,1767.37 2279.46,1832.52 v1(2279.46,1848.23)